# Altium PCB Underwater_vehicle-V3.0.PcbDoc (part 2 of 2)
Units mil, origin at the board's own origin, x right, y up, seen from the top; angles counter-clockwise.
Board outline 3112.65 x 1968.5 mil, 2 copper layers (Top Layer, Bottom Layer); 70 components, 119 nets, 439 pads, 185 vias.
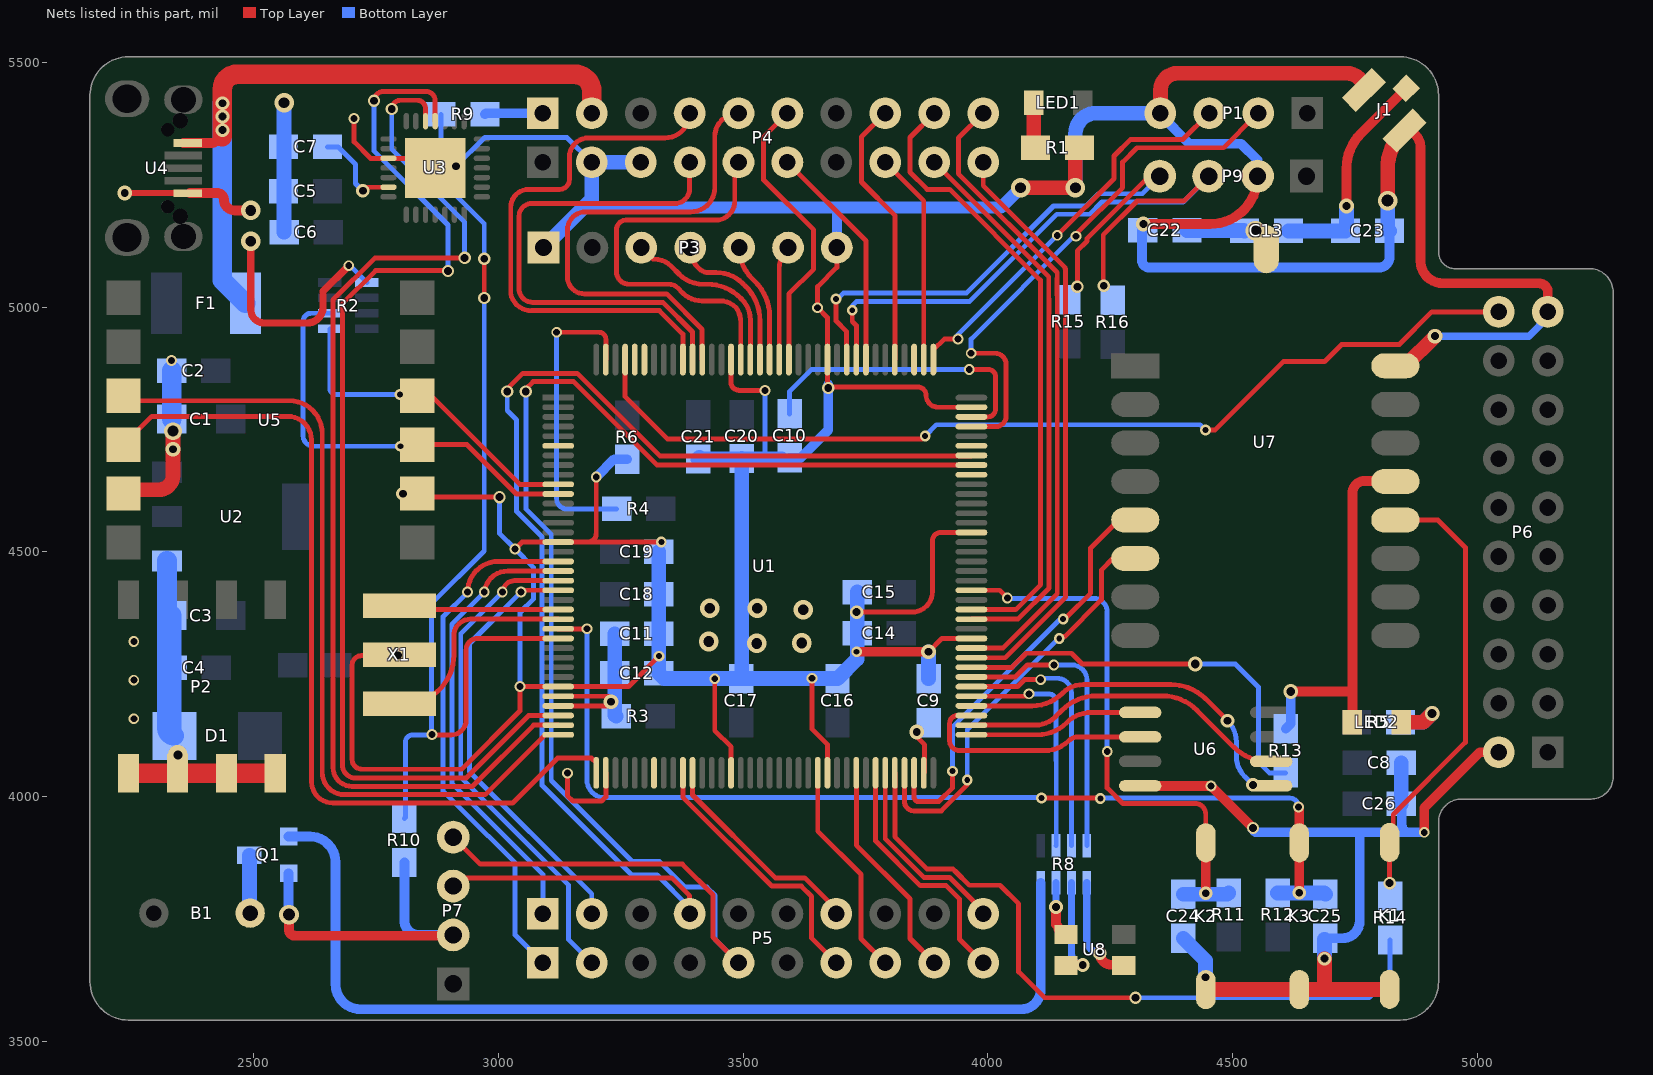
[diagram p2: the nets of this part, all layers, seen from the top]

## Via types
v1: diameter 22, hole 12, Top Layer to Bottom Layer, 54 vias
v2: diameter 22, hole 14, Top Layer to Bottom Layer, 44 vias
v3: diameter 28, hole 16, Top Layer to Bottom Layer, 28 vias
v4: diameter 30, hole 16, Top Layer to Bottom Layer, 19 vias
v5: diameter 25, hole 16, Top Layer to Bottom Layer, 16 vias
v6: diameter 40, hole 22, Top Layer to Bottom Layer, 11 vias
v7: diameter 40, hole 25, Top Layer to Bottom Layer, 5 vias
v8: diameter 30, hole 18, Top Layer to Bottom Layer, 3 vias
v9: diameter 36, hole 22, Top Layer to Bottom Layer, 3 vias
v10: diameter 40, hole 18, Top Layer to Bottom Layer, 2 vias

## Nets (pads, with @x,y where several pads share a name; then routed paths per layer and width w, separated by ;. In a path a pad name is that pad's centre, name@x,y a point inside that pad or via, vN(x,y) a via of type N, cw(c..) or ccw(c..) an arc to the next point about the centre after c; other vN are vias at no path point) (continued)
GND: C1.2 C2.1 C3.2 C4.1 C5.2 C6.2 C7.2 C8.2 C9.1 C10.1 C11.1 C12.1 C14.1 C15.1 C16.1 C17.1 C18.1 C19.1 C20.1 C21.1 C22.1 C23.1 C24.2 C25.2 C26.2 D1.1 J1.2 J1.3 K1.1 K2.2 K3.2 P1.4 P2.5 P2.6 P2.7 P2.8 P3.1 P3.7 P4.2 P4.3 P6.10 P6.20 P7.2 P9.2 Q1.2 R1.1 R2.8 R6.2 R10.2 U1.16 U1.31 U1.38 U1.51 U1.61 U1.83 U1.94 U1.107 U1.120 U1.130 U2.1 U3.0 U3.3 U4.5 U5.5 U5.8 U6.4 U7.16 X1.3 | length 16064.8
  Top Layer w10: v2(2705,5386) 2705,5338 2738.61,5304.39 U3.3@2775.27,5304.39 U3.0@2851.06,5304.39 ; X1.3@2797.66,4289.76 cw(c2795.9,4289.76) 2795.9,4288 2720,4288 ccw(c2720,4269) 2701,4269 2701,4076 ccw(c2721,4076) 2721,4056 2925,4056 3044.2,4175.2 v2(3044.2,4224.8) U1.31@3122.09,4224.8 3265.8,4224.8 v1(3328,4287) ; U5.8@2833.91,4619.19 2841.09,4612 v5(3002,4612) ; v2(3034,4506) 3048.08,4520.08 U1.16@3122.09,4520.08 3181.97,4520.08 ; v2(3141,4048) 3141,4002 3152,3991 3211,3991 3219.53,3999.53 U1.38@3219.53,4048.62 ; v2(3200,4653) 3200,4538.11 cw(c3181.97,4538.11) 3181.97,4520.08 ; v1(3332.92,4520.08) 3181.97,4520.08 ; v2(3442,4241) 3442,4135 3475.43,4101.57 U1.51@3475.43,4048.62 ; U1.130@3475.43,4893.11 3475.43,4845.57 ccw(c3490,4845.57) 3490,4831 3491,4830 v2(3545,4830) ; v2(3641,4242) 3641,4138 3672.28,4106.72 U1.61@3672.28,4048.62 ; P3.7@3691.61,5122 3691.61,5081.61 3652.28,5042.28 v2(3652.28,4999) 3672.28,4979 U1.120@3672.28,4893.11 3672.28,4849.72 ccw(c3685,4849.72) 3685,4837 3857,4837 cw(c3857,4820) 3874,4820 ccw(c3898.33,4820) 3898.33,4795.67 U1.107@3966.57,4795.67 ; v3(3732,4377) 3845,4377 ccw(c3845,4419) 3887,4419 3887,4523 cw(c3903.76,4523) 3903.76,4539.76 U1.94@3966.57,4539.76 ; v4(3879,4296) 3906.23,4323.23 U1.83@3966.57,4323.23
  Top Layer w12: v4(2236.52,5233.52) U4.5@2369.46,5233.52
  Top Layer w15: v6(2494,5135) 2494,4995.23 ccw(c2521.22,4995.23) 2521.22,4968 2609.27,4968 ccw(c2609.27,5000.23) 2641.5,5000.23 2641.5,5032.5 v2(2694,5085)
  Top Layer w20: U4.5@2369.46,5233.52 2425.48,5233.52 cw(c2425.48,5220) 2439,5220 ccw(c2461,5220) 2461,5198 v6(2494,5198) ; v7(2572,3759) 2572,3727.93 ccw(c2584,3727.93) 2584,3715.93 P7.2@2908.05,3715.93 ; v1(3732,4296) v4(3879,4296) ; U6.4@4311.5,4021.99 v2(4455.99,4021.99) v5(4542,3935.98) ; v4(4318,5170) 4454.02,5170 ccw(c4454.02,5267.05) P9.2@4551.07,5267.05 ; J1.2@4851.92,5360.78 cw(c4851.92,5328.69) 4884,5328.69 4884,5095 ccw(c4930,5095) 4930,5049 5126,5049 cw(c5126,5030.59) 5144.41,5030.59 P6.20@5144.41,4990.61 ; v2(4892,3927) 4892,3977.44 5005.16,4090.61 P6.10@5044.02,4090.61
  Top Layer w30: U5.5@2232.91,4627.19 2306.19,4627.19 ccw(c2306.19,4656) 2335,4656 v9(2335,4747) ; v6(4067,5244) v6(4179,5244) 4179,5317.28 R1.1@4187.51,5325.8 ; P1.4@4352.61,5396.69 4353,5396.69 4353,5444 cw(c4387,5444) 4387,5478 4734.69,5478 cw(c4734.69,5444.29) J1.3@4768.4,5444.29 ; K2.2@4445.5,3605.71 K3.2@4636.5,3605.71 4681,3605.71 ; v3(4688,3669) 4688,3612.71 cw(c4681,3612.71) 4681,3605.71 ; v7(4817,5218) 4817,5284.44 cw(c4917,5284.44) 4846.29,5355.15 J1.2@4851.92,5360.78 ; K1.1@4820.62,3605.71 4681,3605.71 ; U7.16@4832.85,4880.35 4853.35,4880.35 v4(4914,4941)
  Top Layer w40: P2.5@2244.06,4047.72 P2.6@2344.06,4047.72 P2.7@2444.06,4047.72 P2.8@2544.06,4047.72
  Bottom Layer w10: v2(2694,5085) 2694,5088.07 2731.07,5051 R2.8@2731.07,5050.68 ; v3(2913,5288) 2972,5347 3139.95,5347 P4.2@3190.75,5296.2 ; v5(3002,4612) 3002,4538 v2(3034,4506) 3072,4468 3072,4404 3044.2,4376.2 v2(3044.2,4224.8) ; 3545,4690 v2(3545,4830)
  Bottom Layer w15: 3686,5204 3691.61,5198.39 ; v4(4914,4941) 5106,4941 5144.41,4979.41 P6.20@5144.41,4990.61
  Bottom Layer w20: v7@2571.16,3762 Q1.2@2571.16,3843.52 ; R10.2@2807.8,3865.51 2807.8,3747 ccw(c2837.49,3747) 2837.49,3717.31 P7.2@2907.46,3717.31 ; v2(3200,4653) 3236.51,4689.51 R6.2@3262.8,4689.51 ; C10.1@3595,4692.24 3617.24,4692.24 3674,4749 v5@3674,4842 ; P3.7@3691.61,5122 3691.61,5198.39 ; C22.1@4317,5157 ccw(c4317,5155) 4315,5155 4315,5096 ccw(c4330,5096) 4330,5081 4799,5081 ccw(c4799,5103) 4821,5103 C23.1@4821,5156 ; P1.4@4352.61,5396.69 4352.61,5393.39 4412,5334 4518,5334 4551.07,5300.93 P9.2@4551.07,5267.05 ; v5(4542,3935.98) ccw(c4550.98,3935.98) 4550.98,3927 4758,3927 ; C25.2@4688,3708.52 ccw(c4688,3775.52) C25.2@4704.03,3710.46 ; C25.2@4689.94,3710.46 C25.2@4704.03,3710.46 ; C26.2@4845,3985 cw(c4845,3984) 4846,3984 4846,3941 ccw(c4860,3941) 4860,3927 ; v2(4892,3927) 4860,3927 ; C25.2@4704.03,3710.46 4724.46,3710.46 ccw(c4724.46,3746) 4760,3746 4760,3925 ccw(c4758,3925) 4758,3927 ; 4758,3927 4860,3927
  Bottom Layer w25: 3174,5204 3686,5204 4027,5204 v6(4067,5244)
  Bottom Layer w30: C6.2@2562,5153 v6(2562,5418) ; P3.1@3091.93,5118.95 3090.75,5120.13 3090.75,5120.75 P3.1@3092,5122 3174,5204 3190.75,5220.75 P4.2@3190.75,5296.2 P4.3@3290.75,5296.2 ; C19.1@3327.83,4500 C18.1@3327.83,4413.39 C11.1@3327.83,4332.68 C12.1@3327.83,4251.97 3338.58,4241.22 C17.1@3496,4241.22 ; C21.1@3411,4693 ccw(c3411,4690) C21.1@3408,4690 C20.1@3497,4690 ; C20.1@3497,4691 C20.1@3497,4690 ; C10.1@3579,4690 3545,4690 C20.1@3497,4690 ; C15.1@3733,4418 C14.1@3733,4334 3733,4281.31 C16.1@3692.91,4241.22 C17.1@3496,4241.22 ; C9.1@3879,4241 v4(3879,4296) ; v6(4179,5244) 4179,5354.69 cw(c4221,5354.69) 4186.2,5378.2 cw(c4221,5354.69) 4197.49,5389.49 cw(c4221,5354.69) 4221,5396.69 P1.4@4352.61,5396.69 ; C24.2@4399.54,3710.46 4445,3665.01 v3(4445,3631) ; v3(4688,3669) C25.2@4688,3708.52 ; v7(4817,5218) 4817,5160 ccw(c4821,5160) C23.1@4821,5156 ; C26.2@4845,3985 C8.2@4845,4069 ; C17.1@3496,4241.22 3497,4242.22 C20.1@3497,4690
  Bottom Layer w40: U2.1@2322.82,4481.59 2322.82,4139.5 ccw(c2337.98,4139.5) D1.1@2337.98,4124.34 cw(c2337.98,4129.56) 2332.76,4129.56 C3.2@2332.76,4370.08 ; C1.2@2332.45,4771.65 C2.1@2332.45,4870.08
  other v2: 2255,4159 2255,4238 2255,4317 2332,4891
  other v3: 2795,4289 2805,4619
  other v4: 2335,4710
  other v5: 3674,4835
  other v6: 3528,4313 3620,4314 3430,4317 3623,4382 3432,4385 3529,4385
  other v10: 2345,4085
IIC1_SCL(B8): U1.139
IIC1_SDA(B9): U1.140
IIC_SCL(D4): P9.4 R15.2 U1.118 | length 1205.6
  Top Layer w10: v1(3690,5017) 3690,4972 3711.65,4950.35 U1.118@3711.65,4893.11 ; v5(4183,5042) 4183,5115.47 4203.01,5135.48 4203.01,5141.01 4330,5268 P9.4@4351.24,5268
  Bottom Layer w10: v1(3690,5017) 3693,5017 3705,5029 3956.18,5029 4134.18,5207 4201,5207 4226,5232 4316.02,5232 P9.4@4351.07,5267.05
IIC_SCL(F1): R2.3 U1.11 U5.9 | length 839
  Top Layer w10: U5.9@2833.91,4719.19 2935.81,4719.19 3036.5,4618.5 U1.11@3122.09,4618.5
  Bottom Layer w10: R2.3@2655.48,4987.69 2617.32,4987.69 ccw(c2617.32,4971.38) 2601,4971.38 2601,4737 ccw(c2622,4737) 2622,4716 v1(2800,4716)
IIC_SDA(D3): P9.3 R16.2 U1.117 | length 1322.1
  Top Layer w10: v1@3723,4996 v1(3723,4994) 3723,4971 3731.34,4962.66 U1.117@3731.34,4893.11 ; v5(4237,5044) 4236,5045 4236,5148 4305,5217 4400.24,5217 P9.3@4451.24,5268
  Bottom Layer w10: v1(3723,4994) 3723,5003 3732,5012 3963.23,5012 4141.23,5190 4208.04,5190 4233.04,5215 4399.02,5215 P9.3@4451.07,5267.05
IIC_SDA(F0): R2.1 U1.10 U5.10 | length 635.5
  Top Layer w10: U5.10@2833.91,4819.19 2862.81,4819.19 3043.81,4638.19 U1.10@3122.09,4638.19
  Bottom Layer w10: R2.1@2655.48,4956.2 2655.48,4834.58 ccw(c2668.06,4834.58) 2668.06,4822 v1(2799,4822)
KEY(G2): C24.1 K2.1 R11.1 U1.88 | length 1116.5
  Top Layer w10: U1.88@3966.57,4421.65 4024.35,4421.65 v2(4040,4406) ; v2(4244,4092) 4244,4018 4276,3986 4423.5,3986 cw(c4423.5,3964) 4445.5,3964 K2.1@4445.5,3931.68
  Top Layer w20: v3(4445.5,3802.5) K2.1@4445.5,3905.71
  Bottom Layer w10: v2(4040,4406) ccw(c4041,4406) 4041,4405 4216.68,4405 cw(c4216.68,4377.68) 4244,4377.68 v2(4244,4092)
  Bottom Layer w30: C24.1@4399.54,3800.46 4489.65,3800.46 R11.1@4492.34,3803.16
LEDB(D10): R8.2 U1.79 | length 602.4
  Top Layer w10: U1.79@3966.57,4244.49 4056.45,4244.49 4080.96,4269 v2(4135,4269)
  Bottom Layer w10: v2(4135,4269) 4172.05,4269 cw(c4172.05,4238.55) 4202.5,4238.55 R8.2@4202.5,3899.59
LEDG(D9): R8.4 U1.78 | length 540
  Top Layer w10: U1.78@3966.57,4224.8 4060.8,4224.8 4075,4239 v2(4108,4239)
  Bottom Layer w10: v2@4108,4242 4141.28,4242 cw(c4141.28,4212.28) 4171,4212.28 R8.4@4171,3899.59
LEDR(D8): R8.6 U1.77 | length 479.9
  Top Layer w10: U1.77@3966.57,4205.12 4079.12,4205.12 ccw(c4079.12,4210) v2(4084,4210)
  Bottom Layer w10: v2(4084,4210) 4124,4210 cw(c4124,4194.5) 4139.5,4194.5 4139.5,4073.44 4140,4072.94 4140,3900.09 R8.6@4139.5,3899.59
NetB1_2: B1.2 Q1.3 | length 119.4
  Bottom Layer w30: Q1.3@2491.16,3880.52 2491.16,3763.57 ccw(c2492.72,3763.57) B1.2@2492.72,3762
NetC7_1: C7.1 U3.6 | length 187.2
  Top Layer w10: v3@2720.34,5245.34 U3.6@2775.27,5245.34
  Bottom Layer w10: C7.1@2650.8,5327.77 2672.23,5327.77 2708,5292 2708,5253 v3(2723,5238)
NetC9_2: C9.2 U1.71 | length 90.7
  Top Layer w10: v4(3855,4132) 3855,4122 3870.91,4106.09 3870.91,4050.4 U1.71@3869.13,4048.62
NetC10_2: C10.2 U1.106 | length 618.5
  Top Layer w10: v2(3962,4873) 4001,4873 cw(c4001,4858) 4016,4858 4016,4792 cw(c3999.98,4792) 3999.98,4775.98 U1.106@3966.57,4775.98
  Bottom Layer w10: C10.2@3595,4782.24 3595,4828 3640,4873 v2(3962,4873)
NetC13_1: C13.1 C23.2 J1.1 | length 454.6
  Top Layer w20: v4(4733,5207) 4733,5283.95 cw(c4833,5283.95) 4762.29,5354.66 J1.1@4854.93,5447.3
  Bottom Layer w30: C13.1@4614.47,5156 C23.2@4731,5156 ccw(c4726.17,5160.83) 4733,5160.83 v4(4733,5207)
NetLED1_2: LED1.2 R1.2 | length 93.6
  Top Layer w30: LED1.2@4093.98,5417.95 4093.98,5329.32 R1.2@4097.51,5325.8
NetLED2_1: LED2.1 R5.2 | length 142.5
  Top Layer w30: LED2.1@4845,4152 4890,4152 v8(4908,4170)
  Bottom Layer w30: R5.2@4843.49,4151.8 4889.8,4151.8 v8(4908,4170)
NetQ1_1: Q1.1 R8.7 | length 2087.1
  Bottom Layer w20: Q1.1@2571.16,3918.52 2614.97,3918.52 cw(c2614.97,3866.49) 2667,3866.49 2667,3617 ccw(c2718.69,3617) 2718.69,3565.31 4068,3565.31 ccw(c4068,3605.32) 4108.01,3605.32 R8.7@4108.01,3824
NetR4_1: R4.1 U1.143 | length 624.9
  Top Layer w10: v2(3119,4949) 3205,4949 cw(c3205,4934.47) 3219.53,4934.47 U1.143@3219.53,4893.11
  Bottom Layer w10: v2(3119,4949) 3119,4608.8 ccw(c3140,4608.8) 3140,4587.8 R4.1@3241.49,4587.8
NetR8_1: R8.1 U8.1 | length 220.4
  Top Layer w20: v3(4229,3680) ccw(c4252.7,3680) 4252.7,3656.3 U8.1@4276.73,3656.3
  Bottom Layer w15: R8.1@4202.5,3824 4202.5,3707.5 ccw(c4229,3707.5) 4229,3681 v3(4229,3680)
NetR8_3: R8.3 U8.3 | length 216.8
  Top Layer w20: U8.3@4158.62,3656.3 4194,3656.3 v3(4194,3656)
  Bottom Layer w15: R8.3@4171,3824 4171,3679 ccw(c4194,3679) v3(4194,3656)
NetR8_5: R8.5 U8.4 | length 114.9
  Top Layer w20: v3(4139.5,3774.5) 4139.5,3738.41 4144,3733.91 ccw(c4158.62,3733.91) U8.4@4158.62,3719.29
  Bottom Layer w15: v3(4139.5,3774.5) R8.5@4139.5,3824
OLED_D0(G13): P3.3 U1.128 | length 367.6
  Top Layer w10: P3.3@3292,5122 3313.79,5100.21 ccw(c3318.92,5105.33) 3318.92,5098.08 cw(c3318.92,5049.8) 3353.06,5083.94 3370,5067 ccw(c3418.28,5115.28) 3418.28,5047 3427,5047 cw(c3427,4951.34) 3494.64,5018.98 3497.71,5015.92 cw(c3456.43,4974.64) 3514.8,4974.64 U1.128@3514.8,4893.11
OLED_D1(G12): P3.4 U1.127 | length 308.4
  Top Layer w10: P3.4@3391.93,5118.95 ccw(c3406.13,5118.95) 3396.09,5108.91 ccw(c3434.72,5108.91) 3407.4,5081.6 3410,5079 ccw(c3429.31,5098.31) 3429.31,5071 3445,5071 cw(c3445,4993.75) 3499.63,5048.37 3505.2,5042.8 cw(c3434.49,4972.09) 3534.49,4972.09 U1.127@3534.49,4893.11
OLED_DC(G10): P3.6 U1.125 | length 233.7
  Top Layer w10: U1.125@3573.86,4893.11 3573.86,5078.68 cw(c3635.13,5078.68) P3.6@3591.8,5122
OLED_RES(G11): P3.5 U1.126 | length 246.6
  Top Layer w10: P3.5@3491.8,5122 ccw(c3580.65,5122) 3517.83,5059.17 3524.88,5052.12 cw(c3454.17,4981.41) 3554.17,4981.41 U1.126@3554.17,4893.11
OSCIN: U1.23 X1.1 | length 328.7
  Top Layer w10: X1.1@2797.66,4389.76 ccw(c2805.14,4389.76) 2805.14,4382.28 U1.23@3122.09,4382.28
OSCOUT: U1.24 X1.2 | length 439.9
  Top Layer w10: X1.2@2797.66,4189.76 2809,4189.76 ccw(c2809,4289.76) 2909,4289.76 2909,4329 cw(c2942.6,4329) 2942.6,4362.6 U1.24@3122.09,4362.6
OV_LED(E0): P6.1 U1.141 | length 2013.9
  Top Layer w10: U1.141@3258.9,4893.11 3258.9,4817.14 3345.63,4730.41 3865.37,4730.41 v1@3867.96,4733 ; v1@3868,4733 v1(3872,4737) ; v1(4445,4749) 4464,4749 4604,4889 4688,4889 4723,4924 4841,4924 4907.61,4990.61 P6.1@5044.02,4990.61
  Bottom Layer w10: v1(3872,4737) 3895,4760 4434,4760 v1(4445,4749)
POWER_5V_IN: F1.1 P4.19 U4.1 | length 1455.4
  Top Layer w20: U4.1@2356.14,5335.51 2410.51,5335.51 ccw(c2410.51,5361) 2414.84,5335.88 ccw(c2410.51,5361) v3@2436,5361
  Top Layer w40: v3@2436,5349 v3@2436,5360 ; v3@2436,5361 v3(2436,5362) v3(2436,5390) v3(2436,5417) 2436,5445.9 cw(c2466.1,5445.9) 2466.1,5476 3156,5476 cw(c3156,5441.25) 3190.75,5441.25 P4.19@3190.75,5396.6
  Bottom Layer w40: v3(2436,5417) v3(2436,5390) v3(2436,5362) 2436,5055.06 F1.1@2483.19,5007.87
POWER_ADC(C0): R9.2 R10.1 U1.26 | length 2034
  Top Layer w10: v2@2864,4126 2903.17,4126 ccw(c2903.17,4156.83) 2934,4156.83 2934,4300 cw(c2957.23,4300) 2957.23,4323.23 U1.26@3122.09,4323.23 ; v5(2971,5019) v5(2971,5099)
  Bottom Layer w10: R10.1@2807.8,3955.51 2810,3957.72 2810,4111.71 cw(c2824.29,4111.71) 2824.29,4126 2863,4126 2863,4394 2971,4502 v5(2971,5019) ; R9.2@2882.51,5394.2 2882.51,5259.49 2971,5171 v5(2971,5099) 2971,5133
  other v2: 2864,4127
POWER_IN: P4.20 R9.1 | length 119.2
  Bottom Layer w20: R9.1@2972.51,5394.2 2974.91,5396.6 P4.20@3090.75,5396.6
SPI1_MISO(B4): P4.4 U1.134 | length 1034.7
  Top Layer w10: P4.4@3390.75,5296.2 3390.75,5242.47 cw(c3360.27,5242.47) 3360.27,5212 3068,5212 ccw(c3068,5186.13) 3042.13,5186.13 3042.13,5035.26 ccw(c3070,5038) 3070,5010 3336.04,5010 3396.69,4949.35 U1.134@3396.69,4893.11
SPI1_MOSI(B5): P4.17 U1.135 | length 1112.3
  Top Layer w10: U1.135@3377.01,4893.11 3377.01,4944.99 3329,4993 3067.65,4993 cw(c3067.65,5036.63) 3025.13,5026.81 3025.13,5204.13 cw(c3062,5204.13) 3062,5241 3125,5241 ccw(c3125,5261) 3145,5261 3145,5307 cw(c3184,5307) 3184,5346 3340.15,5346 ccw(c3340.15,5396.6) P4.17@3390.75,5396.6
SPI1_NSS(A15): P4.8 U1.110 | length 428.8
  Top Layer w10: P4.8@3790.35,5296.2 3869.13,5217.43 U1.110@3869.13,4900
SPI1_SCK(B3): P4.16 U1.133 | length 1013.1
  Top Layer w10: U1.133@3416.38,4893.11 3416.38,4954.62 3343.69,5027.31 3175.92,5027.31 cw(c3175.92,5062.23) 3141,5062.23 3141,5158 cw(c3178,5158) 3178,5195 3393,5195 ccw(c3393,5244) 3442,5244 3442,5348.05 cw(c3490.55,5348.05) P4.16@3490.55,5396.6
SPI2_MISO(B14): U1.75 U6.2 | length 497.9
  Top Layer w10: U1.75@3966.57,4165.75 3937.82,4165.75 ccw(c3937.82,4150) 3922.07,4150 3922.07,4113.85 ccw(c3941.92,4113.85) 3941.92,4094 4116.72,4094 ccw(c4116.72,4162.28) 4165,4114 cw(c4184.29,4094.71) 4184.29,4121.99 U6.2@4311.5,4121.99
SPI2_MOSI(B15): U1.76 U6.5 | length 708.8
  Top Layer w10: U1.76@3966.57,4185.43 4090.28,4185.43 ccw(c4090.28,4272.72) 4152,4211 cw(c4195.46,4167.54) 4195.46,4229 4374.58,4229 cw(c4374.58,4129) 4408.7,4223 cw(c4374.58,4129) 4445.29,4199.71 v3(4490,4155)
  Bottom Layer w10: v3(4490,4155) cw(c4446.54,4111.54) 4508,4111.54 4508,4082 ccw(c4565.94,4082) 4524.97,4041.03 v3(4542,4024)
SPI2_NSS(B12): U1.73 U6.1 | length 357.1
  Top Layer w10: U1.73@3966.57,4126.38 4101.56,4126.38 ccw(c4101.56,4210.44) 4161,4151 cw(c4211.68,4100.32) 4211.68,4171.99 U6.1@4311.5,4171.99
SPI2_SCK(B13): U1.74 U6.6 | length 677.6
  Top Layer w10: U1.74@3966.57,4146.06 4097.11,4146.06 ccw(c4097.11,4203.89) 4138,4163 4151.71,4176.71 cw(c4222.42,4106) 4222.42,4206 4356.58,4206 cw(c4356.58,4106) 4427.29,4176.71 4502.72,4101.28 ccw(c4573.43,4171.99) 4573.43,4071.99 U6.6@4579.22,4071.99
STM32_RESET: C25.1 K3.1 R12.2 U1.25 | length 2129.1
  Top Layer w10: U1.25@3122.09,4342.91 v2(3180.91,4342.91) ; v1(4110,3997) 4229,3997 v1(4230,3996)
  Top Layer w20: v2(4635,3979) cw(c4635,3977.5) 4636.5,3977.5 K3.1@4636.5,3905.71 v3(4636.5,3803.5)
  Bottom Layer w10: v2(3180.91,4342.91) 3180.91,4034.09 ccw(c3217,4034.09) 3217,3998 4109,3998 v1(4110,3997) ; v1(4230,3996) 4231,3997 4617,3997 cw(c4617,3979) v2(4635,3979)
  Bottom Layer w30: R12.2@4592.14,3803.16 4687.25,3803.16 C25.1@4689.94,3800.46
SWCLK(A14): P1.3 U1.109 | length 816.1
  Top Layer w10: U1.109@3888.82,4893.11 3888.82,4912.82 3911,4935 v2(3939,4935) ; v2(4142,5147) 4258,5263 4258,5309 4292,5343 4398.93,5343 P1.3@4452.61,5396.69
  Bottom Layer w10: v2(3939,4935) 3939,4944 v2(4142,5147)
SWDIO(A13): P1.2 U1.105 | length 1113
  Top Layer w10: v2(3966,4906) 4015,4906 cw(c4015,4883.73) 4037.27,4883.73 4037.27,4776.62 cw(c4016.95,4776.62) 4016.95,4756.3 U1.105@3966.57,4756.3 ; v2@4184,5145 4184,5153 4275.5,5244.5 4275.5,5296.5 4305,5326 4481.93,5326 4546.93,5391 P1.2@4552.61,5391
  Bottom Layer w10: v2(3966,4906) 3966,4935 4176,5145 v2@4184,5145
  other v2: 4180,5145
TIM1_CH1(A8): U1.100
TIM1_CH1(E9): P5.8 U1.60 | length 445.2
  Top Layer w10: U1.60@3652.6,4048.62 3652.6,3929.4 3741,3841 3741,3709.79 P5.8@3790.35,3660.43
TIM1_CH2(E11): P5.9 U1.64 | length 454.2
  Top Layer w10: U1.64@3731.34,4048.62 3731.34,3900.66 3841,3791 3841,3710.18 P5.9@3890.75,3660.43
TIM1_CH3(E13): P5.10 U1.66 | length 510.3
  Top Layer w10: U1.66@3770.71,4048.62 3770.71,3909.37 3862.08,3818 3914.95,3818 3919.84,3813.11 3919.89,3813.11 3942,3791 3942,3709.18 P5.10@3990.75,3660.43
TIM1_CH4(A11): U1.103
TIM1_CH4(E14): P5.11 U1.67 | length 401.8
  Top Layer w10: U1.67@3790.39,4048.62 3790.39,3913.73 3869.12,3835 3921.99,3835 3926.88,3830.11 3926.93,3830.11 3990.75,3766.29 P5.11@3990.75,3760.83
TIM3_CH2(A7): U1.43
TIM3_CH3(B0): P5.7 U1.46 | length 553.1
  Top Layer w10: U1.46@3377.01,4048.62 3377.01,3998.95 3558.96,3817 3618.96,3817 3640,3795.96 3640,3710.79 P5.7@3690.35,3660.43
TIM3_CH4(B1): P5.14 U1.47 | length 444.6
  Top Layer w10: U1.47@3396.69,4048.62 3396.69,4003.31 3566,3834 3626,3834 3690.35,3769.65 P5.14@3690.35,3760.83
TIM4_CH1(D12): P4.10 U1.81 | length 1202.4
  Top Layer w10: U1.81@3966.57,4283.86 4035.33,4283.86 4159,4407.53 4159,5031.35 4158.5,5031.85 4158.5,5052.15 4159,5052.65 4159,5078.04 4158.04,5079 4158.04,5080.96 3990.75,5248.25 P4.10@3990.75,5296.2
TIM4_CH2(D13): P4.11 U1.82 | length 1308.5
  Top Layer w10: U1.82@3966.57,4303.54 4030.97,4303.54 4142,4414.57 4142,5024.31 4141.5,5024.81 4141.5,5059.19 4142,5059.69 4142,5071 3940,5273 3940,5345.85 P4.11@3990.75,5396.6
TIM4_CH3(D14): P4.9 U1.85 | length 1151.9
  Top Layer w10: P4.9@3890.75,5296.2 4124.5,5062.45 4124.5,5017.77 4125,5017.27 4125,4426 4061.6,4362.6 U1.85@3966.57,4362.6
TIM4_CH4(D15): P4.12 U1.86 | length 1284.3
  Top Layer w10: P4.12@3890.75,5396.6 3841,5346.85 3841,5276 3876,5241 3921.91,5241 4107.5,5055.41 4107.5,5010.73 4108,5010.23 4108,4433.04 4056.96,4382 3966.86,4382 U1.86@3966.57,4382.28
TIM10_CH1(F6): P5.1 U1.18 | length 1084.1
  Top Layer w10: v2(2937,4418) cw(c2999.71,4418) 2999.71,4480.71 U1.18@3122.09,4480.71
  Bottom Layer w10: v2(2937,4418) 2887,4368 2887,4011 2978,3920 2979,3920 3034,3865 3034,3717.18 P5.1@3090.75,3660.43
TIM11_CH1(F7): P5.20 U1.19 | length 939.9
  Top Layer w10: v2@2971,4413 cw(c3019.02,4413) 3019.02,4461.02 U1.19@3122.09,4461.02
  Bottom Layer w10: v2(2971,4418) 2905,4352 2905,4027 3090.75,3841.25 P5.20@3090.75,3760.83
TIM13_CH1(F8): P5.2 U1.20 | length 1030.1
  Top Layer w10: v2@3009.18,4417.67 cw(c3032.85,4417.67) 3032.85,4441.34 U1.20@3122.09,4441.34
  Bottom Layer w10: v2(3008,4418) 2923,4333 2923,4040 3143,3820 3143,3708.18 P5.2@3190.75,3660.43
TIM14_CH1(F9): P5.19 U1.21 | length 882.3
  Top Layer w10: v2(3046,4418) cw(c3049.65,4418) 3049.65,4421.65 U1.21@3122.09,4421.65
  Bottom Layer w10: v2(3046,4418) 2941,4313 2941,4051 3190.75,3801.25 P5.19@3190.75,3760.83
U1_RX(A10): P5.17 P7.3 U1.102 | length 2833
  Top Layer w10: P7.3@2907.46,3817.31 2924.15,3834 3354,3834 3390.75,3797.25 P5.17@3390.75,3760.83 ; v5@3013,4828 3050,4865 3161,4865 3329.59,4696.41 3965.74,4696.41 U1.102@3966.57,4697.24
  Bottom Layer w10: v5(3018,4828) 3018,4789 3037,4770 3037,4583 3089,4531 3089,4023 3272,3840 3324,3840 3390.75,3773.25 P5.17@3390.75,3760.83
U1_TX(A9): P5.5 P7.4 U1.101 | length 3139
  Top Layer w10: P7.4@2907.46,3917.31 2962.76,3862 3376,3862 3438.4,3799.6 3438.4,3712.59 P5.5@3490.55,3660.43 ; v5(3056,4828) 3056,4833 3071,4848 3153.96,4848 3324.4,4677.56 U1.101@3966.57,4677.56
  Bottom Layer w10: v5(3056,4828) 3056,4588.04 3108,4536.04 3108,4033 3273,3868 3329,3868 3382,3815 3426,3815 3443,3798 3443,3707.98 P5.5@3490.55,3660.43
U2_RX(A3): U1.37 U5.4 | length 1803.1
  Top Layer w10: U5.4@2233.91,4719.19 2291.72,4777 2569.77,4777 cw(c2569.77,4728.77) 2618,4728.77 2618,4030.89 ccw(c2661.89,4030.89) 2661.89,3987 3029,3987 3121,4079 3190,4079 3199.84,4069.16 U1.37@3199.84,4048.62
U2_TX(A2): U1.36 U5.3 | length 1701.4
  Top Layer w10: U5.3@2233.91,4819.19 ccw(c2244.09,4819.19) 2244.09,4809 2573,4809 cw(c2573,4742) 2640,4742 2640,4049.44 ccw(c2685.44,4049.44) 2685.44,4004 2973,4004 3095.38,4126.38 U1.36@3122.09,4126.38
U3_RX(B11): U1.70 U7.5 | length 872.3
  Top Layer w10: U1.70@3849.45,4048.62 3849.45,3998.55 ccw(c3858,3998.55) 3858,3990 3900,3990 3928,4018 v1(3928,4052) ; v1@4153,4368 4162,4368 4210,4416 4210,4508 4267.39,4565.39 U7.5@4301.35,4565.39
  Bottom Layer w10: v1(3928,4052) 3928,4143 v1@4153,4368
  other v1: 4154,4363
U3_TX(B10): U1.69 U7.6 | length 856.5
  Top Layer w10: U1.69@3829.76,4048.62 3829.76,3990.27 ccw(c3849.03,3990.27) 3849.03,3971 3905.04,3971 3958,4023.96 v1(3958,4034) ; v1@4148,4327 4157,4327 4232,4402 4232,4463 4255.65,4486.65 U7.6@4301.35,4486.65
  Bottom Layer w10: v1(3958,4034) 3958,4137 v1@4148,4327
  other v1: 4146,4323
U4_RX(A1): U1.35 U3.26 | length 2270.5
  Top Layer w10: v5(2782,5405) cw(c2800,5405) 2800,5423 2834,5423 cw(c2834,5405.94) 2851.06,5405.94 U3.26@2851.06,5380.18 ; v5@2927,5101 2748,5101 2662,5015 2662,4059.7 ccw(c2700.7,4059.7) 2700.7,4021 2947,4021 3072.06,4146.06 U1.35@3122.09,4146.06
  Bottom Layer w10: v5(2782,5405) 2782,5323 2931,5174 v5(2931,5101)
U4_TX(A0): U1.34 U3.25 | length 2291.5
  Top Layer w10: v5(2746,5422) cw(c2765,5422) 2765,5441 2852,5441 cw(c2852,5422.25) 2870.75,5422.25 U3.25@2870.75,5380.18 ; v5@2894,5075 2749,5075 2681,5007 2681,4065 ccw(c2708,4065) 2708,4038 2934,4038 3061.75,4165.75 U1.34@3122.09,4165.75
  Bottom Layer w10: v5(2746,5422) 2746,5319 2897,5168 v5(2897,5074)
U5_RX(D2): P4.6 U1.116 | length 469.6
  Top Layer w10: P4.6@3590.55,5296.2 3751.02,5135.73 U1.116@3751.02,4893.11
U5_TX(C12): P4.13 U1.113 | length 551.7
  Top Layer w10: P4.13@3790.35,5396.6 3742,5348.24 3742,5256 3810.08,5187.92 U1.113@3810.08,4893.11
U6_RX(G9): P4.15 U1.124 | length 586.7
  Top Layer w10: P4.15@3590.55,5396.6 3542,5348.05 3542,5260 3644,5158 3644,5078 3593.54,5027.54 U1.124@3593.54,4893.11
U6_TX(G14): P4.5 U1.129 | length 826.2
  Top Layer w10: P4.5@3490.55,5296.2 ccw(c3490.55,5288.65) 3483,5288.65 3483,5217 cw(c3444,5217) 3444,5178 3261,5178 ccw(c3261,5158) 3241,5158 3241,5073 ccw(c3267,5073) 3267,5047 3349,5047 cw(c3349,5022.86) 3359.43,5044.63 cw(c3349,5022.86) 3366.07,5039.93 3377,5029 ccw(c3415.63,5067.63) 3415.63,5013 3452.76,5013 cw(c3452.76,4966.59) 3485.57,4999.41 cw(c3443.5,4969.5) 3495.12,4969.5 U1.129@3495.12,4893.11
VBAT: U1.6
VDDA: C11.2 C12.2 R3.1 U1.32 U1.33 | length 376.8
  Top Layer w10: U1.33@3122.09,4185.43 v4@3225.43,4185.43 ; U1.32@3122.09,4205.12 v4@3225.88,4205.12
  Bottom Layer w30: C11.2@3237.83,4332.68 C12.2@3237.83,4251.97 3237.83,4166.84 R3.1@3240.53,4164.15
  other v4: 3230,4194
WIFI_ANT: C13.2 C22.2 U7.17 | length 117.7
  Bottom Layer w30: C22.2@4407,5157 4522.06,5157 cw(c4522.06,5153.59) C13.2@4524.47,5156
  other v7: 4547,5156
WIFI_CONNECT(D11): R13.2 U1.80 | length 848.2
  Top Layer w10: U1.80@3966.57,4264.17 4049.17,4264.17 4078,4293 4171,4293 4193,4271 v8(4424,4271)
  Bottom Layer w10: v8@4426.2,4273.2 v8(4424,4271) 4506,4271 4553,4224 4553,4071 4575.49,4048.51 R13.2@4608.8,4048.51
WIFI_LINKED: LED2.2 R13.1 U7.13 | length 786.4
  Top Layer w20: v8@4615,4215 v8(4619,4215) 4745,4215 ; LED2.2@4745,4152 4745,4215 ; U7.13@4827.74,4644.13 U7.13@4832.85,4644.13 ccw(c4831.98,4644.13) 4831.98,4645 4770,4645 ccw(c4770,4620) 4745,4620 4745,4262 4745,4215
  Bottom Layer w20: R13.1@4608.8,4138.51 4619,4148.72 v8(4619,4215)
WIFI_RELOAD: K1.2 R14.1 U7.12 | length 895
  Top Layer w10: v5(4821.2,3823.2) K1.2@4821.2,3906.29 ; K1.2@4828.46,3913.54 4828.46,3963.46 4976,4111 4976,4509 4919.61,4565.39 U7.12@4844,4565.39
WIFI_RELOAD(C10): U1.111
WIFI_RELOAD(E15): R14.2 U1.68 | length 1456
  Top Layer w10: U1.68@3810.08,4048.62 3810.08,3918.09 3876.17,3852 3929.03,3852 3933.92,3847.11 3933.97,3847.11 3962.08,3819 4025,3819 4063,3781 4063,3642 4116,3589 v5(4302,3589)
  Bottom Layer w10: v5@4299,3589 v5(4302,3589) 4779,3589 4822,3632 R14.2@4822,3707
pads on no net: U1.3 U1.7 U1.8 U1.9 U1.12 U1.22 U1.49 U1.50 U1.53 U1.54 U1.55 U1.56 U1.57 U1.58 U1.87 U1.89 U1.90 U1.91 U1.92 U1.93 U1.104 U1.119 U1.132 U3.1 U3.2 U3.10 U3.12 U3.13 U3.14 U3.15 U3.16 U3.17 U3.18 U3.19 U3.20 U3.21 U3.22 U3.23 U3.24 U3.27 U3.28 U4.0 U4.4 U4.6 U4.7 U4.8 U4.9 U5.1 U5.6 U5.7 U5.12 U7.1 U7.2 U7.3 U7.4 U7.7 U7.8 U7.9 U7.10 U7.11 U7.14

## Polygon pours and split planes (outlines as drawn)
no net on Bottom Solder (solid): 3716.2,4854.31
GND on Top Layer "Top Layer-No Net" (solid, remove dead copper, pour order 0): 2005,5162 2005,5504 cw(c2092,5504) 2092,5591 5231,5591 cw(c5231,5491) 5331,5491 5331,4773 5331,3578 cw(c5231,3578) 5231,3478 4963,3478 2111,3478 cw(c2111,3578) 2011,3578 2011,3771
GND on Bottom Layer "Top Layer-No Net" (solid, remove dead copper, pour order 2): 2059,5027 2059,5494 cw(c2144,5494) 2144,5579 2300,5579 5222,5579 cw(c5222,5479) 5322,5479 5322,4722 5322,3575 cw(c5222,3575) 5222,3475 4927,3475 2141,3475 cw(c2141,3575) 2041,3575 2041,3882

## Keep-outs
Keep-Out Layer:
  the board outline again, w10

## Other copper
Top Layer:
  rectangle net 3.3V: 4538,4108 4686,4188
  pour cut-out: 4839.4,4247.5 4296,4247.5 4296,5120.5 4836.76,5120.5
  text "集美大学" at 3939,3878 h120
Bottom Layer:
  rectangle net GND: 2480,5114 2590,5223
  pour cut-out: 4838.33,4933 4597,4933 4597,5114 4837.78,5114

## Silkscreen, mask and mechanical layers (free items; w line width, h text height)
Top Overlay:
  lines w10: 2491.22,5365.61 2516.22,5390.61 2516.22,5232.61 2679.22,5232.61 ; 2516.22,5293.65 ccw(c2516.22,5232.61) 2570.8,5205.32 ; 2517.22,5389.61 2542.22,5364.61 ; 2552.35,5205.24 2576.22,5222.61 2585.16,5192.07 ; 2654.22,5207.61 2679.22,5232.61 ; 2654.22,5257.61 2679.22,5232.61
  text "5V" at 3168,5462.78 h60
  text "B5" at 3367,5462.78 h60
  text "24/48V" at 2965,5462 h60
  text "B3" at 3466.5,5462.17 h60
  text "G9" at 3566,5462 h60
  text "D1" at 3659,5462 h60
  text "C12" at 3749,5462 h60
  text "D15" at 3852,5462 h60
  text "D13" at 3954,5462 h60
  text "SDO" at 4505,5460 h60
  text "SCK" at 4397,5459 h60
  text "3.3" at 3259,5456 h60
  text "3.3" at 4620,5454 h60
  text "-" at 4333,5443 h150
  text "Y" at 2562.22,5344.61 h35
  text "X" at 2634.22,5285.61 h35 r180
  text "B4" at 3357,5198 h60
  text "D0" at 3660,5198 h60
  text "A15" at 3750,5197 h60
  text "G14" at 3445,5196 h60
  text "D2" at 3559,5196.17 h60
  text "D14" at 3857,5196 h60
  text "D12" at 3961,5195 h60
  text "BT0" at 3050,5192 h60
  text "-" at 3272,5179 h150
  text "-" at 3175,5178 h150
  text "Z" at 2465,5175 h35 r180
  text "D4" at 4323,5170 h60
  text "D3" at 4424,5170 h60
  text "3.3" at 4612,5168 h60
  text "-" at 4529,5152 h150
  text "G12" at 3353,5022 h60
  text "G13" at 3250,5021 h60
  text "G11" at 3455,5021 h60
  text "G10" at 3557,5021 h60
  text "G9" at 3660,5021 h60
  text "3.3" at 3153,5019 h60
  text "-" at 3070,5002 h150
  text "E0" at 4934.99,4976 h60
  text "-" at 5202.53,4950 h150
  text "E3" at 5202.4,4876.61 h60
  text "E1" at 4942.04,4876.45 h60
  text "E6" at 4934.99,4778.01 h60
  text "A6" at 5202.45,4776.16 h60
  text "传 / 承 / 创 / 新" at 4040,4704 h80
  text "E5" at 4936.1,4676.02 h60
  text "B6" at 5202.4,4675.71 h60
  text "自 / 强 / 不 / 息" at 4149,4594 h80
  text "C11" at 4909,4578 h60
  text "C9" at 5202.45,4575.26 h60
  text "C8" at 4928.33,4476.04 h60
  text "C7" at 5202.45,4474.81 h60
  text "E2" at 4936.1,4378.49 h60
  text "C6" at 5202.45,4374.36 h60
  text "B7" at 4930.22,4277.5 h60
  text "A4" at 5202.45,4273.35 h60
  text "1" at 2644,4261 h100
  text "D6" at 4925.06,4177.06 h60
  text "D7" at 5202.4,4172.9 h60
  text "0" at 2636,4105 h100
  text "3.3" at 5200,4069 h60
  text "-" at 4950.71,4058 h150
  text "F3" at 2424,3966 h60
  text "BT1" at 2506,3966 h60
  text "F5" at 2319,3964 h60
  text "F4" at 2224,3961 h60
  text "A9" at 3011,3883 h60 r90
  text "F7" at 3074,3827.78 h60
  text "A5" at 3466.06,3827.78 h60
  text "F9" at 3172,3827.17 h60
  text "C2" at 3270.06,3827.17 h60
  text "C5" at 3564.06,3827.17 h60
  text "B1" at 3662,3827 h60
  text "E10" at 3760,3827 h60
  text "E12" at 3858,3827 h60
  text "E14" at 3956,3827 h60
  text "A10" at 3355,3826 h60
  text "A10" at 3012,3768 h60 r90
  text "-" at 2983,3684 h150
  text "E8" at 2583,3611 h60
  text "+5" at 2967,3599 h60
  text "F6" at 3063,3564.17 h60
  text "F8" at 3162.67,3564.17 h60
  text "C1" at 3262.39,3564 h60
  text "C3" at 3362.06,3564.17 h60
  text "A9" at 3461.72,3564 h60
  text "C4" at 3561.39,3564.17 h60
  text "B0" at 3661,3564.17 h60
  text "E9" at 3760.67,3564.17 h60
  text "E11" at 3860.33,3564 h60
  text "E13" at 3960,3564 h60
Bottom Overlay:
  lines w10: 4302.66,4930.38 4327.66,4955.38 4327.66,4797.38 4490.66,4797.38 ; 4327.66,4858.41 ccw(c4327.66,4797.38) 4382.25,4770.08 ; 4328.66,4954.38 4353.66,4929.38 ; 4363.79,4770 4387.66,4787.38 4396.6,4756.83 ; 4465.66,4772.38 4490.66,4797.38 ; 4465.66,4822.38 4490.66,4797.38
  text "5V" at 3229,5463.78 h60
  text "B5" at 3421,5464 h60
  text "D15" at 3938,5464 h60
  text "D13" at 4037,5464 h60
  text "24/48V" at 3122,5463 h60
  text "G9" at 3623,5463 h60
  text "B3" at 3517,5462 h60
  text "C12" at 3826,5462 h60
  text "D1" at 3713,5460 h60
  text "3.3" at 3328,5456 h60
  text "B4" at 3410,5198 h60
  text "D14" at 3939,5198 h60
  text "D2" at 3617,5197 h60
  text "D0" at 3719,5197 h60
  text "G14" at 3534,5196 h60
  text "A15" at 3836,5196 h60
  text "D12" at 4044,5195 h60
  text "BT0" at 3135,5191 h60
  text "-" at 3306,5179 h150
  text "-" at 3209,5178 h150
  text "E0" at 4981,4974 h60
  text "-" at 5235.01,4945 h150
  text "Y" at 4373.66,4909.38 h35
  text "E1" at 4981,4874.45 h60
  text "E3" at 5249.57,4872.06 h60
  text "X" at 4445.66,4850.38 h35 r180
  text "E6" at 4981,4776.01 h60
  text "A6" at 5262.56,4772.05 h60
  text "Z" at 4306,4720 h35 r180
  text "E5" at 4981,4677.02 h60
  text "B6" at 5255.79,4672.04 h60
  text "C11" at 4980.94,4578.03 h60
  text "C9" at 5256.9,4572.04 h60
  text "C8" at 4980.94,4479.04 h60
  text "C7" at 5257.17,4472.03 h60
  text "E2" at 4981,4379.49 h60
  text "C6" at 5257.45,4372.02 h60
  text "B7" at 4981,4280.5 h60
  text "A4" at 5263.67,4271.46 h60
  text "D6" at 4981,4182.06 h60
  text "D7" at 5260.39,4171.45 h60
  text "3.3" at 5269,4069 h60
  text "-" at 4980.86,4056 h150
  text "TX" at 3020,3893 h60
  text "E12" at 3931,3828 h60
  text "F7" at 3129,3826.78 h60
  text "A10" at 3443,3827 h60
  text "A5" at 3521.06,3826.78 h60
  text "E10" at 3833,3827 h60
  text "F9" at 3227,3826.17 h60
  text "C2" at 3325.06,3826.17 h60
  text "C5" at 3619.06,3826.17 h60
  text "B1" at 3710,3826 h60
  text "E14" at 4032,3826 h60
  text "RX" at 3019,3797 h60
  text "-" at 3015,3684 h150
  text "+5" at 3023,3600 h60
  text "USART1" at 2812,3573 h60 r270
  text "F6" at 3123,3565.17 h60
  text "F8" at 3222.67,3565.17 h60
  text "C1" at 3322.39,3565 h60
  text "C3" at 3422.06,3565.17 h60
  text "A9" at 3521.72,3565 h60
  text "C4" at 3621.39,3565.17 h60
  text "B0" at 3721,3565.17 h60
  text "E11" at 3929,3565 h60
  text "E13" at 4029,3565 h60
  text "E9" at 3813,3564 h60
Top Solder:
  text "集美大学" at 3939,3878 h120

## Text inside footprints (layer, text, board x,y; h text height)
F1: Bottom Overlay "~" at 2420.19,4976.87 h98.43
LOGO: Bottom Overlay "1918" at 4400.9,4265.18 h50
U1: Top Overlay "LQFP144" at 3255,4782 h60
U5: Top Overlay "9轴" at 2899,4464 h60; Top Overlay "D3" at 2693.91,4500.19 h35; Top Overlay "D2" at 2683.91,5000.19 h35; Top Overlay "D1" at 2303.91,4500.19 h35; Top Overlay "D0" at 2293.91,5000.19 h35; Top Overlay "SCL" at 2683.91,4800.19 h35; Top Overlay "SDA" at 2683.91,4700.19 h35; Top Overlay "TX" at 2303.91,4700.19 h35; Top Overlay "RX" at 2303.91,4800.19 h35; Top Overlay "GND" at 2683.91,4600.19 h35; Top Overlay "GND" at 2293.91,4600.19 h35; Top Overlay "VCC" at 2683.91,4900.19 h35; Top Overlay "VCC" at 2293.91,4900.19 h35; Top Overlay "Z" at 2484.89,4695.31 h35 r180; Top Overlay "X" at 2603.21,4819.46 h35 r180; Top Overlay "Y" at 2531.21,4878.46 h35
U7: Top Overlay "ATT" at 4655.85,4992.54 h60